# Altium PCB PCB.PcbDoc (part 2 of 3) (continued)
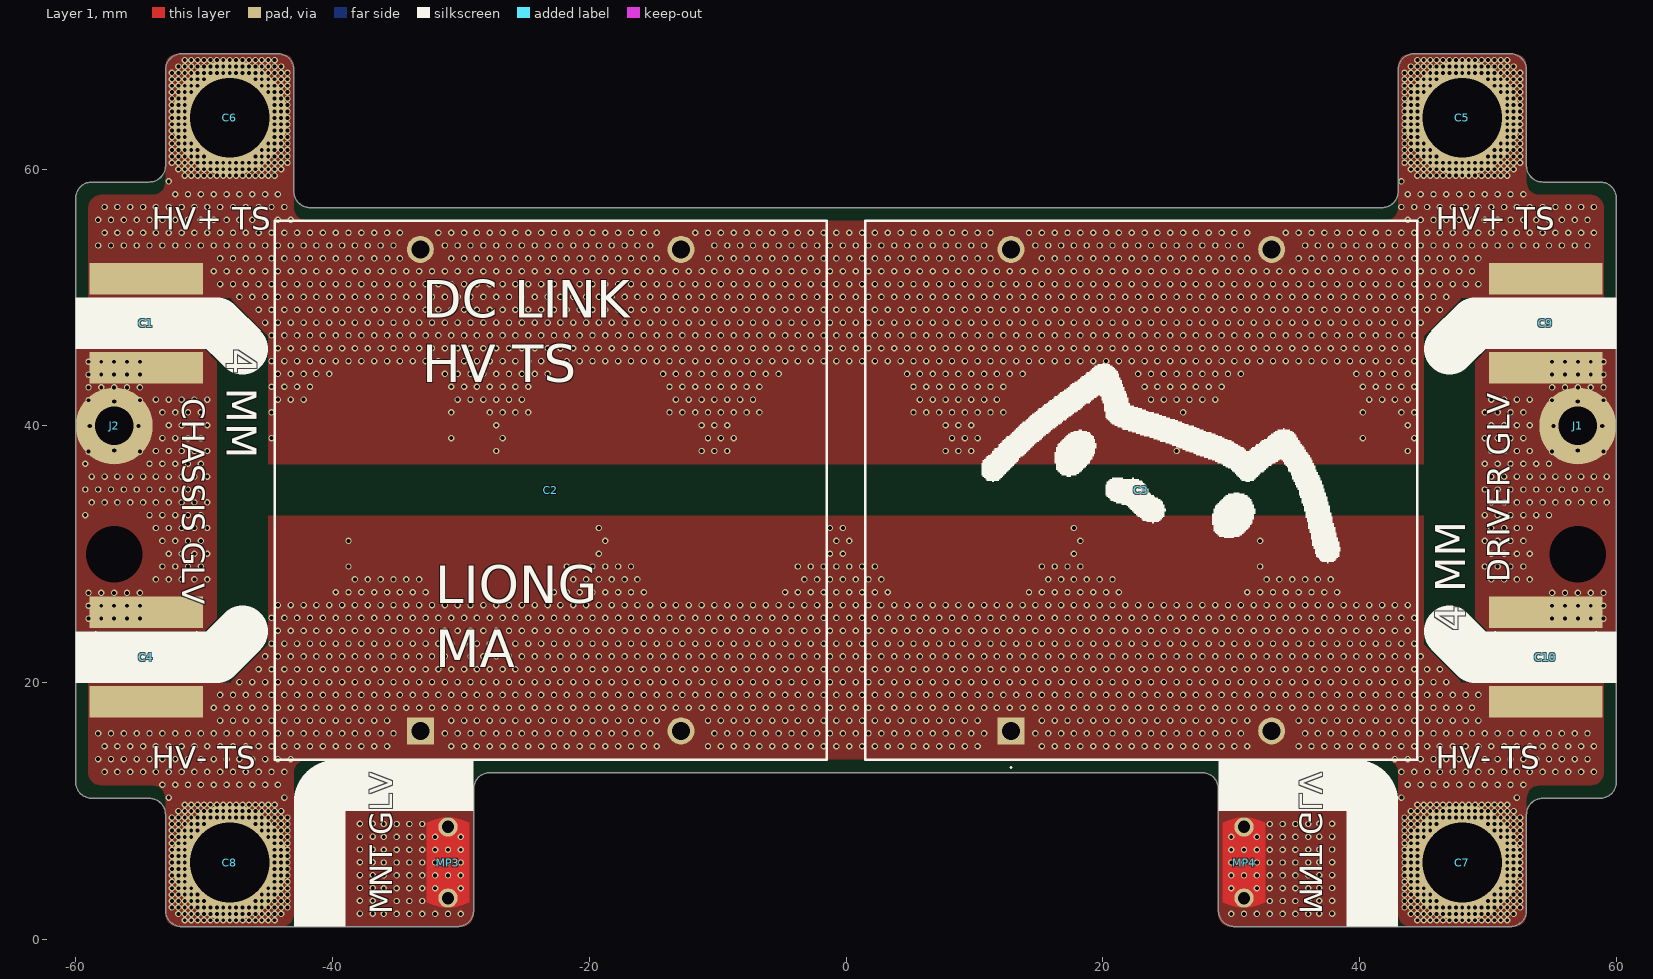
[diagram p0: Layer 1 view]
## Nets (pads, with @x,y where several pads share a name; then routed paths per layer and width w, separated by ;. In a path a pad name is that pad's centre, name@x,y a point inside that pad or via, vN(x,y) a via of type N, cw(c..) or ccw(c..) an arc to the next point about the centre after c; other vN are vias at no path point) (continued)
HV-: C2.1 C2.2 C3.1 C3.2 C4.1 C7.1 C8.1 C10.1 CR1.2 CR2.2 CR3.2 CR4.2 CR5.2 CR6.2 CR7.2 CR8.2 CR9.2 CR10.2 CR11.2 CR12.2 CR13.2 CR14.2 CR15.2 GDT1.2 GDT2.2 GDT3.2 R1.1 R2.1 R3.1 R4.1 R5.1 R6.1 R7.1 R8.1 R9.1 R10.1 R11.1 R12.1
  other v1: -51.5,1.5 -51,1.5 -50.5,1.5 -50,1.5 -49.5,1.5 -49,1.5 -48.5,1.5 -48,1.5 -47.5,1.5 -47,1.5 -46.5,1.5 -46,1.5 -45.5,1.5 -45,1.5 -44.5,1.5 44.5,1.5 45,1.5 45.5,1.5 46,1.5 46.5,1.5 47,1.5 47.5,1.5 48,1.5 48.5,1.5 49,1.5 49.5,1.5 50,1.5 50.5,1.5 51,1.5 51.5,1.5 -52,2 -51.5,2 -51,2 -50.5,2 -50,2 -49.5,2 -49,2 -48.5,2 -48,2 -47.5,2 -47,2 -46.5,2 -46,2 -45.5,2 -45,2 -44.5,2 -44,2 44,2 44.5,2 45,2 45.5,2 46,2 46.5,2 47,2 47.5,2 48,2 48.5,2 49,2 49.5,2 50,2 50.5,2 51,2 51.5,2 52,2 -52.5,2.5 -52,2.5 -51.5,2.5 -51,2.5 -50.5,2.5 -50,2.5 -49.5,2.5 -49,2.5 -48.5,2.5 -48,2.5 -47.5,2.5 -47,2.5 -46.5,2.5 -46,2.5 -45.5,2.5 -45,2.5 -44.5,2.5 -44,2.5 -43.5,2.5 43.5,2.5 44,2.5 44.5,2.5 45,2.5 45.5,2.5 46,2.5 46.5,2.5 47,2.5 47.5,2.5 48,2.5 48.5,2.5 49,2.5 49.5,2.5 50,2.5 50.5,2.5 51,2.5 51.5,2.5 52,2.5 52.5,2.5 -52.5,3 -52,3 -51.5,3 -51,3 -50.5,3 -50,3 -46,3 -45.5,3 -45,3 -44.5,3 -44,3 -43.5,3 43.5,3 44,3 44.5,3 45,3 45.5,3 46,3 50,3 50.5,3 51,3 51.5,3 52,3 52.5,3 -52.5,3.5 -52,3.5 -51.5,3.5 -51,3.5 -50.5,3.5 -45.5,3.5 -45,3.5 -44.5,3.5 -44,3.5 -43.5,3.5 43.5,3.5 44,3.5 44.5,3.5 45,3.5 45.5,3.5 50.5,3.5 51,3.5 51.5,3.5 52,3.5 52.5,3.5 -52.5,4 -52,4 -51.5,4 -51,4 -45,4 -44.5,4 -44,4 -43.5,4 43.5,4 44,4 44.5,4 45,4 51,4 51.5,4 52,4 52.5,4 -52.5,4.5 -52,4.5 -51.5,4.5 -44.5,4.5 -44,4.5 -43.5,4.5 43.5,4.5 44,4.5 44.5,4.5 51.5,4.5 52,4.5 52.5,4.5 -52.5,5 -52,5 -51.5,5 -44.5,5 -44,5 -43.5,5 43.5,5 44,5 44.5,5 51.5,5 52,5 52.5,5 -52.5,5.5 -52,5.5 -51.5,5.5 -44.5,5.5 -44,5.5 -43.5,5.5 43.5,5.5 44,5.5 44.5,5.5 51.5,5.5 52,5.5 52.5,5.5 -52.5,6 -52,6 -51.5,6 -44.5,6 -44,6 -43.5,6 43.5,6 44,6 44.5,6 51.5,6 52,6 52.5,6 -52.5,6.5 -52,6.5 -51.5,6.5 -44.5,6.5 -44,6.5 -43.5,6.5 43.5,6.5 44,6.5 44.5,6.5 51.5,6.5 52,6.5 52.5,6.5 -52.5,7 -52,7 -51.5,7 -44.5,7 -44,7 -43.5,7 43.5,7 44,7 44.5,7 51.5,7 52,7 52.5,7 -52.5,7.5 -52,7.5 -51.5,7.5 -44.5,7.5 -44,7.5 -43.5,7.5 43.5,7.5 44,7.5 44.5,7.5 51.5,7.5 52,7.5 52.5,7.5 -52.5,8 -52,8 -51.5,8 -51,8 -45,8 -44.5,8 -44,8 -43.5,8 43.5,8 44,8 44.5,8 45,8 51,8 51.5,8 52,8 52.5,8 -52.5,8.5 -52,8.5 -51.5,8.5 -51,8.5 -50.5,8.5 -45.5,8.5 -45,8.5 -44.5,8.5 -44,8.5 -43.5,8.5 43.5,8.5 44,8.5 44.5,8.5 45,8.5 45.5,8.5 50.5,8.5 51,8.5 51.5,8.5 52,8.5 52.5,8.5 -52.5,9 -52,9 -51.5,9 -51,9 -50.5,9 -50,9 -46,9 -45.5,9 -45,9 -44.5,9 -44,9 -43.5,9 43.5,9 44,9 44.5,9 45,9 45.5,9 46,9 50,9 50.5,9 51,9 51.5,9 52,9 52.5,9 -52.5,9.5 -52,9.5 -51.5,9.5 -51,9.5 -50.5,9.5 -50,9.5 -49.5,9.5 -49,9.5 -48.5,9.5 -48,9.5 -47.5,9.5 -47,9.5 -46.5,9.5 -46,9.5 -45.5,9.5 -45,9.5 -44.5,9.5 -44,9.5 -43.5,9.5 43.5,9.5 44,9.5 44.5,9.5 45,9.5 45.5,9.5 46,9.5 46.5,9.5 47,9.5 47.5,9.5 48,9.5 48.5,9.5 49,9.5 49.5,9.5 50,9.5 50.5,9.5 51,9.5 51.5,9.5 52,9.5 52.5,9.5 -52,10 -51.5,10 -51,10 -50.5,10 -50,10 -49.5,10 -49,10 -48.5,10 -48,10 -47.5,10 -47,10 -46.5,10 -46,10 -45.5,10 -45,10 -44.5,10 -44,10 44,10 44.5,10 45,10 45.5,10 46,10 46.5,10 47,10 47.5,10 48,10 48.5,10 49,10 49.5,10 50,10 50.5,10 51,10 51.5,10 52,10 -51.5,10.5 -51,10.5 -50.5,10.5 -50,10.5 -49.5,10.5 -49,10.5 -48.5,10.5 -48,10.5 -47.5,10.5 -47,10.5 -46.5,10.5 -46,10.5 -45.5,10.5 -45,10.5 -44.5,10.5 44.5,10.5 45,10.5 45.5,10.5 46,10.5 46.5,10.5 47,10.5 47.5,10.5 48,10.5 48.5,10.5 49,10.5 49.5,10.5 50,10.5 50.5,10.5 51,10.5 51.5,10.5 -52.745,11.053 -43.745,11.053 43.255,11.053 52.255,11.053 -53.245,12.053 -52.245,12.053 -51.245,12.053 -50.245,12.053 -49.245,12.053 -48.245,12.053 -47.245,12.053 -46.245,12.053 -45.245,12.053 -44.245,12.053 43.755,12.053 44.755,12.053 45.755,12.053 46.755,12.053 47.755,12.053 48.755,12.053 49.755,12.053 50.755,12.053 51.755,12.053 52.755,12.053 -57.745,13.053 -56.745,13.053 -55.745,13.053 -54.745,13.053 -53.745,13.053 -52.745,13.053 -51.745,13.053 -50.745,13.053 -49.745,13.053 -48.745,13.053 -47.745,13.053 -46.745,13.053 -45.745,13.053 -44.745,13.053 -43.745,13.053 43.255,13.053 44.255,13.053 45.255,13.053 46.255,13.053 47.255,13.053 48.255,13.053 49.255,13.053 50.255,13.053 51.255,13.053 52.255,13.053 53.255,13.053 54.255,13.053 55.255,13.053 56.255,13.053 57.255,13.053 58.255,13.053 -58.245,14.053 -57.245,14.053 -56.245,14.053 -55.245,14.053 -54.245,14.053 -53.245,14.053 -52.245,14.053 -51.245,14.053 -50.245,14.053 -49.245,14.053 -48.245,14.053 -47.245,14.053 -46.245,14.053 -45.245,14.053 -44.245,14.053 -43.245,14.053 42.755,14.053 43.755,14.053 44.755,14.053 45.755,14.053 46.755,14.053 47.755,14.053 48.755,14.053 49.755,14.053 50.755,14.053 51.755,14.053 52.755,14.053 53.755,14.053 54.755,14.053 55.755,14.053 56.755,14.053 57.755,14.053 -57.745,15.053 -56.745,15.053 -55.745,15.053 -54.745,15.053 -53.745,15.053 -52.745,15.053 -51.745,15.053 -50.745,15.053 -49.745,15.053 -48.745,15.053 -47.745,15.053 -46.745,15.053 -45.745,15.053 -44.745,15.053 -43.745,15.053 -42.745,15.053 -41.745,15.053 -40.745,15.053 -39.745,15.053 -38.745,15.053 -37.745,15.053 -36.745,15.053 -35.745,15.053 -30.745,15.053 -29.745,15.053 -28.745,15.053 -27.745,15.053 -26.745,15.053 -25.745,15.053 -24.745,15.053 -23.745,15.053 -22.745,15.053 -21.745,15.053 -20.745,15.053 -19.745,15.053 -18.745,15.053 -17.745,15.053 -16.745,15.053 -15.745,15.053 -14.745,15.053 -10.745,15.053 -9.745,15.053 -8.745,15.053 -7.745,15.053 -6.745,15.053 -5.745,15.053 -4.745,15.053 -3.745,15.053 -2.745,15.053 -1.745,15.053 -0.745,15.053 0.255,15.053 1.255,15.053 2.255,15.053 3.255,15.053 4.255,15.053 5.255,15.053 6.255,15.053 7.255,15.053 8.255,15.053 9.255,15.053 10.255,15.053 15.255,15.053 16.255,15.053 17.255,15.053 18.255,15.053 19.255,15.053 20.255,15.053 21.255,15.053 22.255,15.053 23.255,15.053 24.255,15.053 25.255,15.053 26.255,15.053 27.255,15.053 28.255,15.053 29.255,15.053 30.255,15.053 31.255,15.053 35.255,15.053 36.255,15.053 37.255,15.053 38.255,15.053 39.255,15.053 40.255,15.053 41.255,15.053 42.255,15.053 43.255,15.053 44.255,15.053 45.255,15.053 46.255,15.053 47.255,15.053 48.255,15.053 49.255,15.053 50.255,15.053 51.255,15.053 52.255,15.053 53.255,15.053 54.255,15.053 55.255,15.053 56.255,15.053 57.255,15.053 58.255,15.053 -58.245,16.053 -57.245,16.053 -56.245,16.053 -55.245,16.053 -54.245,16.053 -53.245,16.053 -52.245,16.053 -51.245,16.053 -50.245,16.053 -49.245,16.053 -48.245,16.053 -47.245,16.053 -46.245,16.053 -45.245,16.053 -44.245,16.053 -43.245,16.053 -42.245,16.053 -41.245,16.053 -40.245,16.053 -39.245,16.053 -38.245,16.053 -37.245,16.053 -36.245,16.053 -35.245,16.053 -31.245,16.053 -30.245,16.053 -29.245,16.053 -28.245,16.053 -27.245,16.053 -26.245,16.053 -25.245,16.053 -24.245,16.053 -23.245,16.053 -22.245,16.053 -21.245,16.053 -20.245,16.053 -19.245,16.053 -18.245,16.053 -17.245,16.053 -16.245,16.053 -15.245,16.053 -10.245,16.053 -9.245,16.053 -8.245,16.053 -7.245,16.053 -6.245,16.053 -5.245,16.053 -4.245,16.053 -3.245,16.053 -2.245,16.053 -1.245,16.053 -0.245,16.053 0.755,16.053 1.755,16.053 2.755,16.053 3.755,16.053 4.755,16.053 5.755,16.053 6.755,16.053 7.755,16.053 8.755,16.053 9.755,16.053 10.755,16.053 14.755,16.053 15.755,16.053 16.755,16.053 17.755,16.053 18.755,16.053 19.755,16.053 20.755,16.053 21.755,16.053 22.755,16.053 23.755,16.053 24.755,16.053 25.755,16.053 26.755,16.053 27.755,16.053 28.755,16.053 29.755,16.053 30.755,16.053 35.755,16.053 36.755,16.053 37.755,16.053 38.755,16.053 39.755,16.053 40.755,16.053 41.755,16.053 42.755,16.053 43.755,16.053 44.755,16.053 45.755,16.053 46.755,16.053 47.755,16.053 48.755,16.053 49.755,16.053 50.755,16.053 51.755,16.053 52.755,16.053 53.755,16.053 54.755,16.053 55.755,16.053 56.755,16.053 57.755,16.053 -48.745,17.053 -47.745,17.053 -46.745,17.053 -45.745,17.053 -44.745,17.053 -43.745,17.053 -42.745,17.053 -41.745,17.053 -40.745,17.053 -39.745,17.053 -38.745,17.053 -37.745,17.053 -36.745,17.053 -35.745,17.053 -30.745,17.053 -29.745,17.053 -28.745,17.053 -27.745,17.053 -26.745,17.053 -25.745,17.053 -24.745,17.053 -23.745,17.053 -22.745,17.053 -21.745,17.053 -20.745,17.053 -19.745,17.053 -18.745,17.053 -17.745,17.053 -16.745,17.053 -15.745,17.053 -14.745,17.053 -10.745,17.053 -9.745,17.053 -8.745,17.053 -7.745,17.053 -6.745,17.053 -5.745,17.053 -4.745,17.053 -3.745,17.053 -2.745,17.053 -1.745,17.053 -0.745,17.053 0.255,17.053 1.255,17.053 2.255,17.053 3.255,17.053 4.255,17.053 5.255,17.053 6.255,17.053 7.255,17.053 8.255,17.053 9.255,17.053 10.255,17.053 15.255,17.053 16.255,17.053 17.255,17.053 18.255,17.053 19.255,17.053 20.255,17.053 21.255,17.053 22.255,17.053 23.255,17.053 24.255,17.053 25.255,17.053 26.255,17.053 27.255,17.053 28.255,17.053 29.255,17.053 30.255,17.053 31.255,17.053 35.255,17.053 36.255,17.053 37.255,17.053 38.255,17.053 39.255,17.053 40.255,17.053 41.255,17.053 42.255,17.053 43.255,17.053 44.255,17.053 45.255,17.053 46.255,17.053 47.255,17.053 48.255,17.053 49.255,17.053 -49.245,18.053 -48.245,18.053 -47.245,18.053 -46.245,18.053 -45.245,18.053 -44.245,18.053 -43.245,18.053 -42.245,18.053 -41.245,18.053 -40.245,18.053 -39.245,18.053 -38.245,18.053 -37.245,18.053 -36.245,18.053 -35.245,18.053 -34.245,18.053 -33.245,18.053 -32.245,18.053 -31.245,18.053 -30.245,18.053 -29.245,18.053 -28.245,18.053 -27.245,18.053 -26.245,18.053 -25.245,18.053 -24.245,18.053 -23.245,18.053 -22.245,18.053 -21.245,18.053 -20.245,18.053 -19.245,18.053 -18.245,18.053 -17.245,18.053 -16.245,18.053 -15.245,18.053 -14.245,18.053 -13.245,18.053 -12.245,18.053 -11.245,18.053 -10.245,18.053 -9.245,18.053 -8.245,18.053 -7.245,18.053 -6.245,18.053 -5.245,18.053 -4.245,18.053 -3.245,18.053 -2.245,18.053 -1.245,18.053 -0.245,18.053 0.755,18.053 1.755,18.053 2.755,18.053 3.755,18.053 4.755,18.053 5.755,18.053 6.755,18.053 7.755,18.053 8.755,18.053 9.755,18.053 10.755,18.053 11.755,18.053 12.755,18.053 13.755,18.053 14.755,18.053 15.755,18.053 16.755,18.053 17.755,18.053 18.755,18.053 19.755,18.053 20.755,18.053 21.755,18.053 22.755,18.053 23.755,18.053 24.755,18.053 25.755,18.053 26.755,18.053 27.755,18.053 28.755,18.053 29.755,18.053 30.755,18.053 31.755,18.053 32.755,18.053 33.755,18.053 34.755,18.053 35.755,18.053 36.755,18.053 37.755,18.053 38.755,18.053 39.755,18.053 40.755,18.053 41.755,18.053 42.755,18.053 43.755,18.053 44.755,18.053 45.755,18.053 46.755,18.053 47.755,18.053 48.755,18.053 -48.745,19.053 -47.745,19.053 -46.745,19.053 -45.745,19.053 -44.745,19.053 -43.745,19.053 -42.745,19.053 -41.745,19.053 -40.745,19.053 -39.745,19.053 -38.745,19.053 -37.745,19.053 -36.745,19.053 -35.745,19.053 -34.745,19.053 -33.745,19.053 -32.745,19.053 -31.745,19.053 -30.745,19.053 -29.745,19.053 -28.745,19.053 -27.745,19.053 -26.745,19.053 -25.745,19.053 -24.745,19.053 -23.745,19.053 -22.745,19.053 -21.745,19.053 -20.745,19.053 -19.745,19.053 -18.745,19.053 -17.745,19.053 -16.745,19.053 -15.745,19.053 -14.745,19.053 -13.745,19.053 -12.745,19.053 -11.745,19.053 -10.745,19.053 -9.745,19.053 -8.745,19.053 -7.745,19.053 -6.745,19.053 -5.745,19.053 -4.745,19.053 -3.745,19.053 -2.745,19.053 -1.745,19.053 -0.745,19.053 0.255,19.053 1.255,19.053 2.255,19.053 3.255,19.053 4.255,19.053 5.255,19.053 6.255,19.053 7.255,19.053 8.255,19.053 9.255,19.053 10.255,19.053 11.255,19.053 12.255,19.053 13.255,19.053 14.255,19.053 15.255,19.053 16.255,19.053 17.255,19.053 18.255,19.053 19.255,19.053 20.255,19.053 21.255,19.053 22.255,19.053 23.255,19.053 24.255,19.053 25.255,19.053 26.255,19.053 27.255,19.053 28.255,19.053 29.255,19.053 30.255,19.053 31.255,19.053 32.255,19.053 33.255,19.053 34.255,19.053 35.255,19.053 36.255,19.053 37.255,19.053 38.255,19.053 39.255,19.053 40.255,19.053 41.255,19.053 42.255,19.053 43.255,19.053 44.255,19.053 45.255,19.053 46.255,19.053 47.255,19.053 48.255,19.053 49.255,19.053 -47.245,20.053 -46.245,20.053 -45.245,20.053 -44.245,20.053 -43.245,20.053 -42.245,20.053 -41.245,20.053 -40.245,20.053 -39.245,20.053 -38.245,20.053 -37.245,20.053 -36.245,20.053 -35.245,20.053 -34.245,20.053 -33.245,20.053 -32.245,20.053 -31.245,20.053 -30.245,20.053 -29.245,20.053 -28.245,20.053 -27.245,20.053 -26.245,20.053 -25.245,20.053 -24.245,20.053 -23.245,20.053 -22.245,20.053 -21.245,20.053 -20.245,20.053 -19.245,20.053 -18.245,20.053 -17.245,20.053 -16.245,20.053 -15.245,20.053 -14.245,20.053 -13.245,20.053 -12.245,20.053 -11.245,20.053 -10.245,20.053 -9.245,20.053 -8.245,20.053 -7.245,20.053 -6.245,20.053 -5.245,20.053 -4.245,20.053 -3.245,20.053 -2.245,20.053 -1.245,20.053 -0.245,20.053 0.755,20.053 1.755,20.053 2.755,20.053 3.755,20.053 4.755,20.053 5.755,20.053 6.755,20.053 7.755,20.053 8.755,20.053 9.755,20.053 10.755,20.053 11.755,20.053 12.755,20.053 13.755,20.053 14.755,20.053 15.755,20.053 16.755,20.053 17.755,20.053 18.755,20.053 19.755,20.053 20.755,20.053 21.755,20.053 22.755,20.053 23.755,20.053 24.755,20.053 25.755,20.053 26.755,20.053 27.755,20.053 28.755,20.053 29.755,20.053 30.755,20.053 31.755,20.053 32.755,20.053 33.755,20.053 34.755,20.053 35.755,20.053 36.755,20.053 37.755,20.053 38.755,20.053 39.755,20.053 40.755,20.053 41.755,20.053 42.755,20.053 43.755,20.053 44.755,20.053 45.755,20.053 46.755,20.053 -45.745,21.053 -44.745,21.053 -43.745,21.053 -42.745,21.053 -41.745,21.053 -40.745,21.053 -39.745,21.053 -38.745,21.053 -37.745,21.053 -36.745,21.053 -35.745,21.053 -34.745,21.053 -33.745,21.053 -32.745,21.053 -31.745,21.053 -30.745,21.053 -29.745,21.053 -28.745,21.053 -27.745,21.053 -26.745,21.053 -25.745,21.053 -24.745,21.053 -23.745,21.053 -22.745,21.053 -21.745,21.053 -20.745,21.053 -19.745,21.053 -18.745,21.053 -17.745,21.053 -16.745,21.053 -15.745,21.053 -14.745,21.053 -13.745,21.053 -12.745,21.053 -11.745,21.053 -10.745,21.053 -9.745,21.053 -8.745,21.053 -7.745,21.053 -6.745,21.053 -5.745,21.053 -4.745,21.053 -3.745,21.053 -2.745,21.053 -1.745,21.053 -0.745,21.053 0.255,21.053 1.255,21.053 2.255,21.053 3.255,21.053 4.255,21.053 5.255,21.053 6.255,21.053 7.255,21.053 8.255,21.053 9.255,21.053 10.255,21.053 11.255,21.053 12.255,21.053 13.255,21.053 14.255,21.053 15.255,21.053 16.255,21.053 17.255,21.053 18.255,21.053 19.255,21.053 20.255,21.053 21.255,21.053 22.255,21.053 23.255,21.053 24.255,21.053 25.255,21.053 26.255,21.053 27.255,21.053 28.255,21.053 29.255,21.053 30.255,21.053 31.255,21.053 32.255,21.053 33.255,21.053 34.255,21.053 35.255,21.053 36.255,21.053 37.255,21.053 38.255,21.053 39.255,21.053 40.255,21.053 41.255,21.053 42.255,21.053 43.255,21.053 44.255,21.053 45.255,21.053 46.255,21.053 -45.245,22.053 -44.245,22.053 -43.245,22.053 -42.245,22.053 -41.245,22.053 -40.245,22.053 -39.245,22.053 -38.245,22.053 -37.245,22.053 -36.245,22.053 -35.245,22.053 -34.245,22.053 -33.245,22.053 -32.245,22.053 -31.245,22.053 -30.245,22.053 -29.245,22.053 -28.245,22.053 -27.245,22.053 -26.245,22.053 -25.245,22.053 -24.245,22.053 -23.245,22.053 -22.245,22.053 -21.245,22.053 -20.245,22.053 -19.245,22.053 -18.245,22.053 -17.245,22.053 -16.245,22.053 -15.245,22.053 -14.245,22.053 -13.245,22.053 -12.245,22.053 -11.245,22.053 -10.245,22.053 -9.245,22.053 -8.245,22.053 -7.245,22.053 -6.245,22.053 -5.245,22.053 -4.245,22.053 -3.245,22.053 -2.245,22.053 -1.245,22.053 -0.245,22.053 0.755,22.053 1.755,22.053 2.755,22.053 3.755,22.053 4.755,22.053 5.755,22.053 6.755,22.053 7.755,22.053 8.755,22.053 9.755,22.053 10.755,22.053 11.755,22.053 12.755,22.053 13.755,22.053 14.755,22.053 15.755,22.053 16.755,22.053 17.755,22.053 18.755,22.053 19.755,22.053 20.755,22.053 21.755,22.053 22.755,22.053 23.755,22.053 24.755,22.053 25.755,22.053 26.755,22.053 27.755,22.053 28.755,22.053 29.755,22.053 30.755,22.053 31.755,22.053 32.755,22.053 33.755,22.053 34.755,22.053 35.755,22.053 36.755,22.053 37.755,22.053 38.755,22.053 39.755,22.053 40.755,22.053 41.755,22.053 42.755,22.053 43.755,22.053 44.755,22.053 -44.745,23.053 -43.745,23.053 -42.745,23.053 -41.745,23.053 -40.745,23.053 -39.745,23.053 -38.745,23.053 -37.745,23.053 -36.745,23.053 -35.745,23.053 -34.745,23.053 -33.745,23.053 -32.745,23.053 -31.745,23.053 -30.745,23.053 -29.745,23.053 -28.745,23.053 -27.745,23.053 -26.745,23.053 -25.745,23.053 -24.745,23.053 -23.745,23.053 -22.745,23.053 -21.745,23.053 -20.745,23.053 -19.745,23.053 -18.745,23.053 -17.745,23.053 -16.745,23.053 -15.745,23.053 -14.745,23.053 -13.745,23.053 -12.745,23.053 -11.745,23.053 -10.745,23.053 -9.745,23.053 -8.745,23.053 -7.745,23.053 -6.745,23.053 -5.745,23.053 -4.745,23.053 -3.745,23.053 -2.745,23.053 -1.745,23.053 -0.745,23.053 0.255,23.053 1.255,23.053 2.255,23.053 3.255,23.053 4.255,23.053 5.255,23.053 6.255,23.053 7.255,23.053 8.255,23.053 9.255,23.053 10.255,23.053 11.255,23.053 12.255,23.053 13.255,23.053 14.255,23.053 15.255,23.053 16.255,23.053 17.255,23.053 18.255,23.053 19.255,23.053 20.255,23.053 21.255,23.053 22.255,23.053 23.255,23.053 24.255,23.053 25.255,23.053 26.255,23.053 27.255,23.053 28.255,23.053 29.255,23.053 30.255,23.053 31.255,23.053 32.255,23.053 33.255,23.053 34.255,23.053 35.255,23.053 36.255,23.053 37.255,23.053 38.255,23.053 39.255,23.053 40.255,23.053 41.255,23.053 42.255,23.053 43.255,23.053 44.255,23.053 -44.245,24.053 -43.245,24.053 -42.245,24.053 -41.245,24.053 -40.245,24.053 -39.245,24.053 -38.245,24.053 -37.245,24.053 -36.245,24.053 -35.245,24.053 -34.245,24.053 -33.245,24.053 -32.245,24.053 -31.245,24.053 -30.245,24.053 -29.245,24.053 -28.245,24.053 -27.245,24.053 -26.245,24.053 -25.245,24.053 -24.245,24.053 -23.245,24.053 -22.245,24.053 -21.245,24.053 -20.245,24.053 -19.245,24.053 -18.245,24.053 -17.245,24.053 -16.245,24.053 -15.245,24.053 -14.245,24.053 -13.245,24.053 -12.245,24.053 -11.245,24.053 -10.245,24.053 -9.245,24.053 -8.245,24.053 -7.245,24.053 -6.245,24.053 -5.245,24.053 -4.245,24.053 -3.245,24.053 -2.245,24.053 -1.245,24.053 -0.245,24.053 0.755,24.053 1.755,24.053 2.755,24.053 3.755,24.053 4.755,24.053 5.755,24.053 6.755,24.053 7.755,24.053 8.755,24.053 9.755,24.053 10.755,24.053 11.755,24.053 12.755,24.053 13.755,24.053 14.755,24.053 15.755,24.053 16.755,24.053 17.755,24.053 18.755,24.053 19.755,24.053 20.755,24.053 21.755,24.053 22.755,24.053 23.755,24.053 24.755,24.053 25.755,24.053 26.755,24.053 27.755,24.053 28.755,24.053 29.755,24.053 30.755,24.053 31.755,24.053 32.755,24.053 33.755,24.053 34.755,24.053 35.755,24.053 36.755,24.053 37.755,24.053 38.755,24.053 39.755,24.053 40.755,24.053 41.755,24.053 42.755,24.053 43.755,24.053 -44.745,25.053 -43.745,25.053 -42.745,25.053 -41.745,25.053 -40.745,25.053 -39.745,25.053 -38.745,25.053 -37.745,25.053 -36.745,25.053 -35.745,25.053 -34.745,25.053 -33.745,25.053 -32.745,25.053 -31.745,25.053 -30.745,25.053 -29.745,25.053 -28.745,25.053 -27.745,25.053 -26.745,25.053 -25.745,25.053 -24.745,25.053 -23.745,25.053 -22.745,25.053 -21.745,25.053 -20.745,25.053 -19.745,25.053 -18.745,25.053 -17.745,25.053 -16.745,25.053 -15.745,25.053 -14.745,25.053 -13.745,25.053 -12.745,25.053 -11.745,25.053 -10.745,25.053 -9.745,25.053 -8.745,25.053 -7.745,25.053 -6.745,25.053 -5.745,25.053 -4.745,25.053 -3.745,25.053 -2.745,25.053 -1.745,25.053 -0.745,25.053 0.255,25.053 1.255,25.053 2.255,25.053 3.255,25.053 4.255,25.053 5.255,25.053 6.255,25.053 7.255,25.053 8.255,25.053 9.255,25.053 10.255,25.053 11.255,25.053 12.255,25.053 13.255,25.053 14.255,25.053 15.255,25.053 16.255,25.053 17.255,25.053 18.255,25.053 19.255,25.053 20.255,25.053 21.255,25.053 22.255,25.053 23.255,25.053 24.255,25.053 25.255,25.053 26.255,25.053 27.255,25.053 28.255,25.053 29.255,25.053 30.255,25.053 31.255,25.053 32.255,25.053 33.255,25.053 34.255,25.053 35.255,25.053 36.255,25.053 37.255,25.053 38.255,25.053 39.255,25.053 40.255,25.053 41.255,25.053 42.255,25.053 43.255,25.053 44.255,25.053 -44.245,26.053 -43.245,26.053 -42.245,26.053 -41.245,26.053 -40.245,26.053 -39.245,26.053 -38.245,26.053 -37.245,26.053 -36.245,26.053 -35.245,26.053 -34.245,26.053 -33.245,26.053 -32.245,26.053 -31.245,26.053 -30.245,26.053 -29.245,26.053 -28.245,26.053 -27.245,26.053 -26.245,26.053 -25.245,26.053 -24.245,26.053 -23.245,26.053 -22.245,26.053 -21.245,26.053 -20.245,26.053 -19.245,26.053 -18.245,26.053 -17.245,26.053 -16.245,26.053 -15.245,26.053 -14.245,26.053 -13.245,26.053 -12.245,26.053 -11.245,26.053 -10.245,26.053 -9.245,26.053 -8.245,26.053 -7.245,26.053 -6.245,26.053 -5.245,26.053 -4.245,26.053 -3.245,26.053 -2.245,26.053 -1.245,26.053 -0.245,26.053 0.755,26.053 1.755,26.053 2.755,26.053 3.755,26.053 4.755,26.053 5.755,26.053 6.755,26.053 7.755,26.053 8.755,26.053 9.755,26.053 10.755,26.053 11.755,26.053 12.755,26.053 13.755,26.053 14.755,26.053 15.755,26.053 16.755,26.053 17.755,26.053 18.755,26.053 19.755,26.053 20.755,26.053 21.755,26.053 22.755,26.053 23.755,26.053 24.755,26.053 25.755,26.053 26.755,26.053 27.755,26.053 28.755,26.053 29.755,26.053 30.755,26.053 31.755,26.053 32.755,26.053 33.755,26.053 34.755,26.053 35.755,26.053 36.755,26.053 37.755,26.053 38.755,26.053 39.755,26.053 40.755,26.053 41.755,26.053 42.755,26.053 43.755,26.053 -39.745,27.053 -38.745,27.053 -37.745,27.053 -36.745,27.053 -35.745,27.053 -34.745,27.053 -33.745,27.053 -32.745,27.053 -22.745,27.053 -21.745,27.053 -20.745,27.053 -19.745,27.053 -18.745,27.053 -17.745,27.053 -16.745,27.053 -15.745,27.053 -4.745,27.053 -3.745,27.053 -2.745,27.053 -1.745,27.053 -0.745,27.053 0.255,27.053 1.255,27.053 2.255,27.053 3.255,27.053 14.255,27.053 15.255,27.053 16.255,27.053 17.255,27.053 18.255,27.053 19.255,27.053 20.255,27.053 21.255,27.053 31.255,27.053 32.255,27.053 33.255,27.053 34.255,27.053 35.255,27.053 36.255,27.053 37.255,27.053 38.255,27.053 -38.245,28.053 -37.245,28.053 -36.245,28.053 -35.245,28.053 -34.245,28.053 -33.245,28.053 -21.245,28.053 -20.245,28.053 -19.245,28.053 -18.245,28.053 -17.245,28.053 -16.245,28.053 -3.245,28.053 -2.245,28.053 -1.245,28.053 -0.245,28.053 0.755,28.053 1.755,28.053 2.755,28.053 15.755,28.053 16.755,28.053 17.755,28.053 18.755,28.053 19.755,28.053 20.755,28.053 32.755,28.053 33.755,28.053 34.755,28.053 35.755,28.053 36.755,28.053 37.755,28.053 -38.745,29.053 -21.745,29.053 -20.745,29.053 -19.745,29.053 -18.745,29.053 -17.745,29.053 -16.745,29.053 -3.745,29.053 -2.745,29.053 -1.745,29.053 -0.745,29.053 0.255,29.053 1.255,29.053 2.255,29.053 15.255,29.053 16.255,29.053 17.255,29.053 18.255,29.053 32.255,29.053 -19.245,30.053 -1.245,30.053 -0.245,30.053 17.755,30.053 -38.745,31.053 -18.745,31.053 -0.745,31.053 0.255,31.053 18.255,31.053 32.255,31.053 -19.245,32.053 -1.245,32.053 -0.245,32.053 17.755,32.053
LU_1: MP3.1
  other v1: -36,2 -35,2 -34,2 -33,2 -32,2 -31,2 -30,2 -37.858,2.017 -36.858,2.017 -37.858,3.017 -36.858,3.017 -36,3 -35,3 -34,3 -33,3 -36,4 -35,4 -34,4 -33,4 -32,4 -30,4 -37.858,4.017 -36.858,4.017 -36,5 -35,5 -34,5 -33,5 -32,5 -31,5 -30,5 -37.858,5.017 -36.858,5.017 -36,6 -35,6 -34,6 -33,6 -32,6 -31,6 -30,6 -37.858,6.017 -36.858,6.017 -36,7 -35,7 -34,7 -33,7 -32,7 -31,7 -30,7 -37.858,7.017 -36.858,7.017 -37.858,8.017 -36.858,8.017 -36,8 -35,8 -34,8 -33,8 -32,8 -30,8 -36,9 -35,9 -34,9 -33,9 -37.858,9.017 -36.858,9.017
RU_1: MP4.1
  other v1: 30,2 31,2 32,2 33,2 34,2 35,2 36,2 36.858,2.017 37.858,2.017 33,3 34,3 35,3 36,3 36.858,3.017 37.858,3.017 30,4 32,4 33,4 34,4 35,4 36,4 36.858,4.017 37.858,4.017 30,5 31,5 32,5 33,5 34,5 35,5 36,5 36.858,5.017 37.858,5.017 30,6 31,6 32,6 33,6 34,6 35,6 36,6 36.858,6.017 37.858,6.017 30,7 31,7 32,7 33,7 34,7 35,7 36,7 36.858,7.017 37.858,7.017 30,8 32,8 33,8 34,8 35,8 36,8 36.858,8.017 37.858,8.017 33,9 34,9 35,9 36,9 36.858,9.017 37.858,9.017

## Polygon pours and split planes (outlines as drawn)
no net on Bottom Solder "NONET_L01_P-001" (solid): -60,45.8 -54,45.8 -54,24.2 -60,24.2
no net on Bottom Solder "NONET_L01_P-001" (solid): 60,45.8 54,45.8 54,24.2 60,24.2
no net on Bottom Solder "NONET_L01_P-001" (solid): -53,60 -53,53 ccw(c-52,53) -52,52 52,52 ccw(c52,53) 53,53 53,60 43,60 43,57 cw(c42,57) 42,56 -42,56 cw(c-42,57) -43,57 -43,60
no net on Bottom Solder "NONET_L01_P-001" (solid): 53,10 53,17 ccw(c52,17) 52,18 -52,18 ccw(c-52,17) -53,17 -53,10 -43,10 -43,13 cw(c-42,13) -42,14 42,14 cw(c42,13) 43,13 43,10
no net on Bottom Solder "NONET_L01_P-001" (solid): 43,10.5 cw(c44,10.5) 44,11.5 52,11.5 cw(c52,10.5) 53,10.5 53,2 cw(c52,2) 52,1 44,1 cw(c44,2) 43,2
no net on Bottom Solder "NONET_L01_P-001" (solid): -43,59.5 cw(c-44,59.5) -44,58.5 -52,58.5 cw(c-52,59.5) -53,59.5 -53,68 cw(c-52,68) -52,69 -44,69 cw(c-44,68) -43,68
no net on Bottom Solder "NONET_L01_P-001" (solid): 53,59.5 cw(c52,59.5) 52,58.5 44,58.5 cw(c44,59.5) 43,59.5 43,68 cw(c44,68) 44,69 52,69 cw(c52,68) 53,68
no net on Bottom Solder "NONET_L01_P-001" (solid): -53,10.5 cw(c-52,10.5) -52,11.5 -44,11.5 cw(c-44,10.5) -43,10.5 -43,2 cw(c-44,2) -44,1 -52,1 cw(c-52,2) -53,2
HV+ on Layer 1 "NONET_L01_P-001" (solid, pour order 33): 43,57 cw(c42,57) 42,56 -42,56 cw(c-42,57) -43,57 -43,68 ccw(c-44,68) -44,69 -52,69 ccw(c-52,68) -53,68 -53,59 cw(c-54,59) -54,58 -58,58 ccw(c-58,57) -59,57 -59,50 59,50 59,57 ccw(c58,57) 58,58 54,58 cw(c54,59) 53,59 53,68 ccw(c52,68) 52,69 44,69 ccw(c44,68) 43,68
RU_1 on Layer 1 "NONET_L01_P-001" (solid, pour order 38): 39,10 39,1 30,1 cw(c30,2) 29,2 29,10
LU_1 on Layer 1 "NONET_L01_P-001" (solid, pour order 36): -39,10 -39,1 -30,1 ccw(c-30,2) -29,2 -29,10
HV- on Layer 1 "NONET_L01_P-001" (solid, pour order 34): -43,13 cw(c-42,13) -42,14 42,14 cw(c42,13) 43,13 43,2 ccw(c44,2) 44,1 52,1 ccw(c52,2) 53,2 53,11 cw(c54,11) 54,12 58,12 ccw(c58,13) 59,13 59,20 -59,20 -59,13 ccw(c-58,13) -58,12 -54,12 cw(c-54,11) -53,11 -53,2 ccw(c-52,2) -52,1 -44,1 ccw(c-44,2) -43,2
GNDL on Layer 1 "NONET_L01_P-001" (solid, pour order 27): 60,46 50,46 49,45 49,25 50,24 60,24
GNDR on Layer 1 "NONET_L01_P-001" (solid, pour order 26): -60,46 -50,46 -49,45 -49,25 -50,24 -60,24
HV- on Layer 1 "NONET_L01_P-001" (solid, pour order 21): 48,20 45,23 45,33 -45,33 -45,23 -48,20
HV+ on Layer 1 "NONET_L01_P-001" (solid, pour order 20): -48,50 -45,47 -45,37 45,37 45,47 48,50
RU_1 on Layer 2 "NONET_L01_P-001" (solid, pour order 37): 39,10 39,1 30,1 cw(c30,2) 29,2 29,10
LU_1 on Layer 2 "NONET_L01_P-001" (solid, pour order 35): -39,10 -39,1 -30,1 ccw(c-30,2) -29,2 -29,10
HV- on Layer 2 "NONET_L01_P-001" (solid, pour order 32): -43,13 cw(c-42,13) -42,14 42,14 cw(c42,13) 43,13 43,2 ccw(c44,2) 44,1 52,1 ccw(c52,2) 53,2 53,11 cw(c54,11) 54,12 58,12 ccw(c58,13) 59,13 59,20 -59,20 -59,13 ccw(c-58,13) -58,12 -54,12 cw(c-54,11) -53,11 -53,2 ccw(c-52,2) -52,1 -44,1 ccw(c-44,2) -43,2